# Altium PCB lidarcar.PcbDoc (part 2 of 2)
Units mil, origin at the board's own origin, x right, y up, seen from the top; angles counter-clockwise.
Board outline 3704.72 x 3732.29 mil, 2 copper layers (Top Layer, Bottom Layer); 84 components, 182 nets, 510 pads, 147 vias.
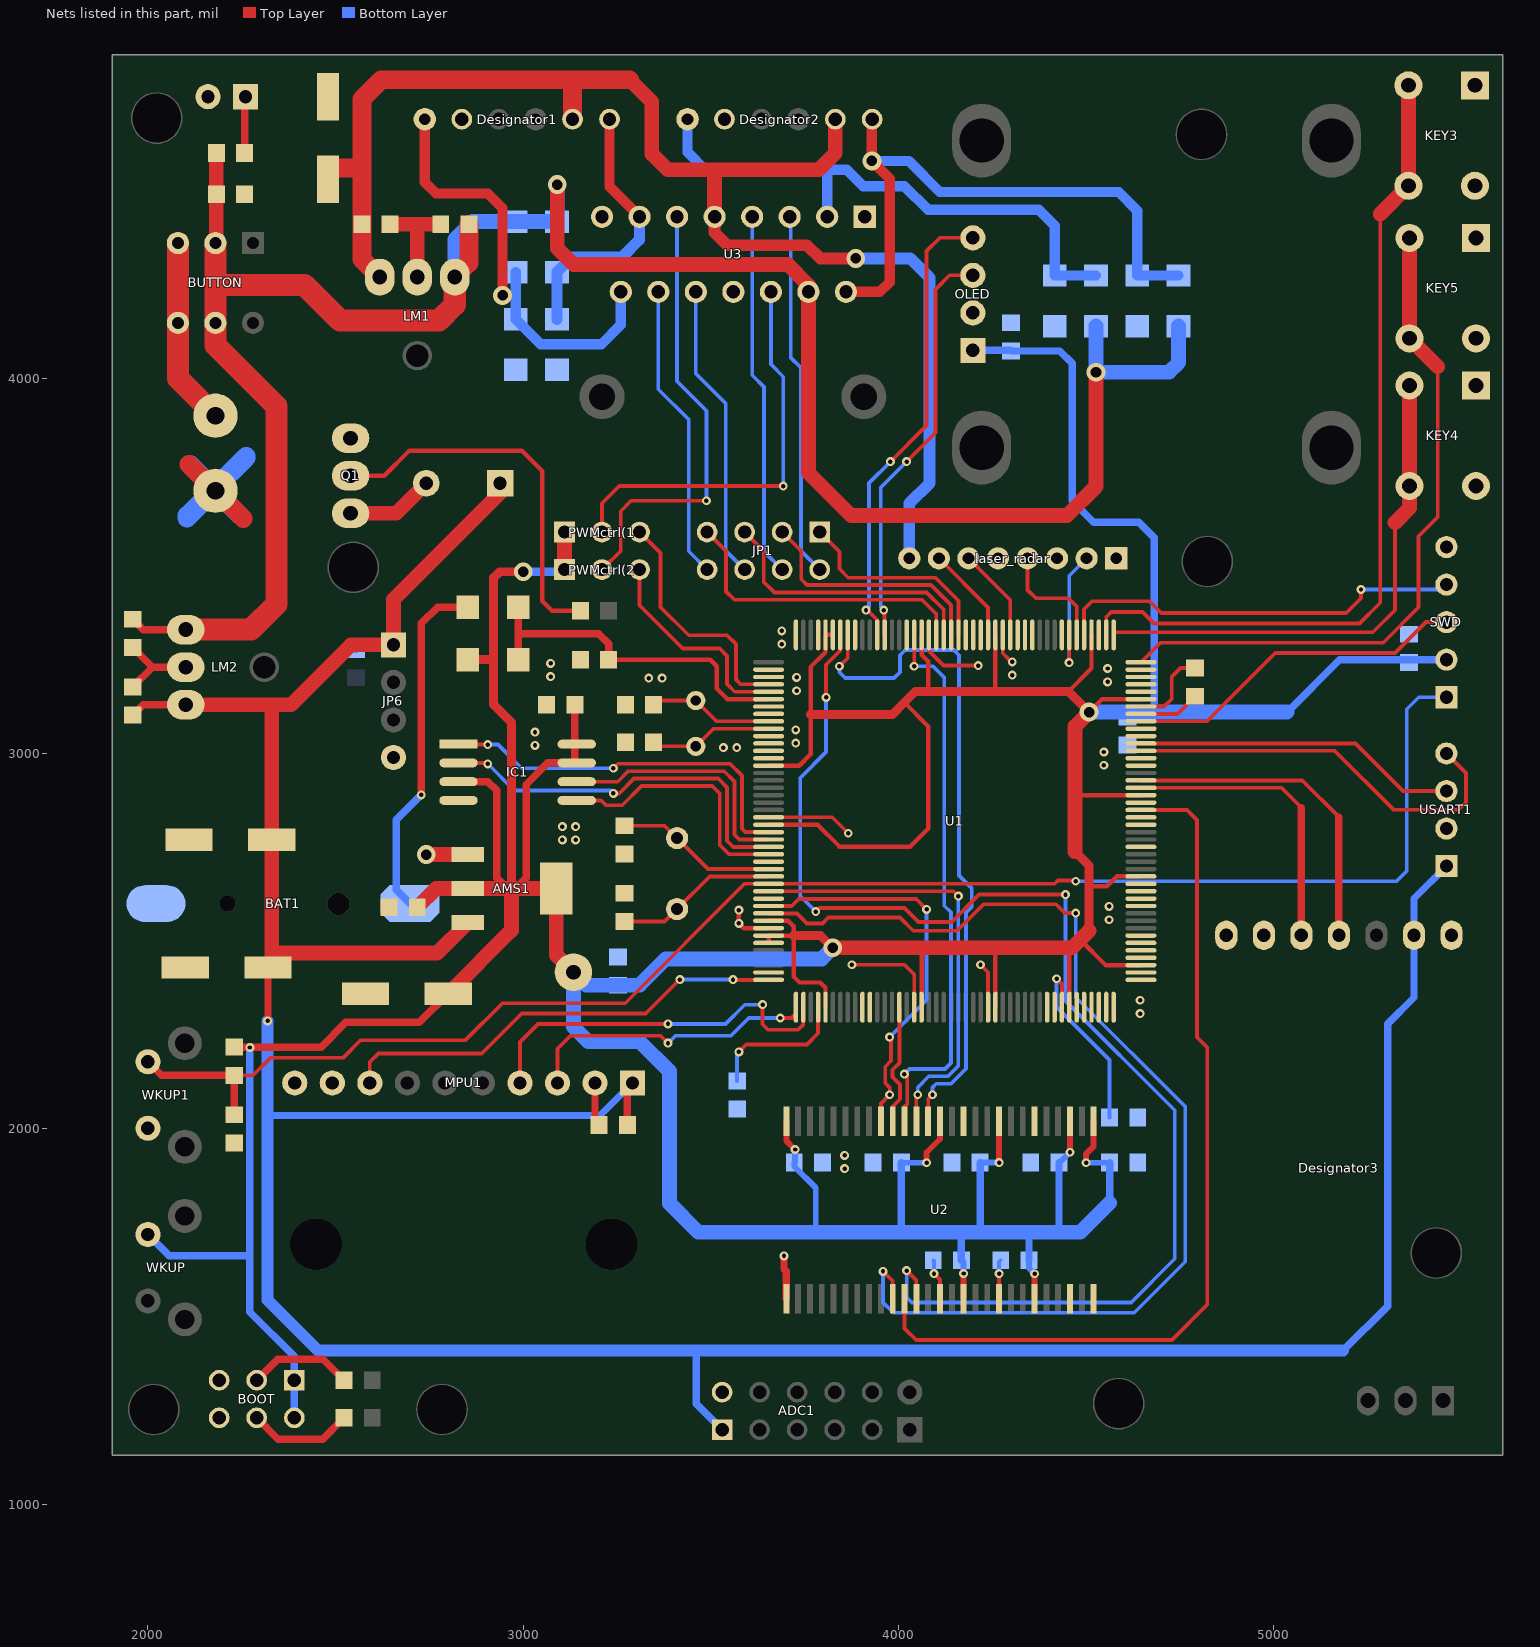
[diagram p2: the nets of this part, all layers, seen from the top]

## Via types
v1: diameter 23.62, hole 11.81, Top Layer to Bottom Layer, 138 vias
v2: diameter 50, hole 28, Top Layer to Bottom Layer, 9 vias

## Nets (pads, with @x,y where several pads share a name; then routed paths per layer and width w, separated by ;. In a path a pad name is that pad's centre, name@x,y a point inside that pad or via, vN(x,y) a via of type N, cw(c..) or ccw(c..) an arc to the next point about the centre after c; other vN are vias at no path point) (continued)
FMC_NBL0: U1.169 U2.15 | length 1824.2
  Top Layer w10: v1(3842.52,3232.28) 3864.57,3254.33 U1.169@3864.57,3316.06 ; U2.15@4079.05,2020 4079.05,2079.05 v1(4090.55,2090.55)
  Bottom Layer w10: v1(3842.52,3232.28) 3842.52,3216.54 3858.27,3200.79 3988.19,3200.79 4003.94,3216.54 4003.94,3261.81 4017.72,3275.59 4147.64,3275.59 4161.42,3261.81 4161.42,2675.2 4194.88,2641.73 4194.88,2590.55 4180,2575.67 4180,2160 4140,2120 4100.32,2120 4090.55,2110.24 v1(4090.55,2090.55)
FMC_NBL1: U1.170 U2.39 | length 3529.3
  Top Layer w10: v1(3779.53,2578.74) 3789.37,2588.58 4015.75,2588.58 4053.15,2551.18 4141.73,2551.18 4214.57,2624.02 v1(4444.88,2624.02) ; v1(3807.09,3149.61) 3807.09,3236.22 3844.88,3274.02 U1.170@3844.88,3316.06 ; v1(4021.65,1622.05) 4047.56,1596.14 U2.39@4047.56,1547.56
  Bottom Layer w10: v1(3779.53,2578.74) 3738.19,2620.08 3738.19,2935.04 3807.09,3003.94 v1(3807.09,3149.61) ; v1(4021.65,1622.05) 4021.65,1551.18 4035.43,1537.4 4620.08,1537.4 4736.22,1653.54 4736.22,2049.21 4444.88,2340.55 v1(4444.88,2624.02)
FMC_SDCKE0: U1.35 U2.37 | length 2978.4
  Top Layer w10: U1.35@3653.94,2573.94 3729.21,2573.94 3755.91,2547.24 3797.24,2547.24 3812.99,2562.99 4003.94,2562.99 4039.37,2527.56 4155.51,2527.56 4226.38,2598.43 4419.29,2598.43 4442.91,2574.8 v1(4472.44,2574.8) ; v1(3958.66,1620.08) 3984.57,1594.17 U2.37@3984.57,1547.56
  Bottom Layer w10: v1(3958.66,1620.08) 3958.66,1537.4 3986.22,1509.84 4627.95,1509.84 4763.78,1645.67 4763.78,2059.06 4472.44,2350.39 v1(4472.44,2574.8)
FMC_SDCLK: U1.112 U2.38 | length 2401.2
  Top Layer w10: U2.38@4016.06,1547.56 4016.06,1468.19 4047.24,1437.01 4728.35,1437.01 4822.83,1531.5 4822.83,2216.54 4795.28,2244.09 4795.28,2822.83 4768.58,2849.53 U1.112@4646.06,2849.53
FMC_SDNCAS: U1.160 U2.17 | length 1479.3
  Top Layer w10: v1(4015.75,2145.67) 4023.62,2137.8 4023.62,2066.93 4016.06,2059.37 U2.17@4016.06,2020 ; v1(4041.73,3232.28) U1.160@4041.73,3316.06
  Bottom Layer w10: v1(4015.75,2145.67) 4029.53,2159.45 4124.02,2159.45 4139.76,2175.2 4139.76,2576.77 4122.05,2594.49 4122.05,3202.36 4092.13,3232.28 v1(4041.73,3232.28)
FMC_SDNE0: U1.34 U2.19 | length 1109.8
  Top Layer w10: U1.34@3653.94,2593.62 3715.67,2593.62 3734.25,2612.2 4047.24,2612.2 v1(4074.8,2584.65) ; U2.19@3953.07,2059.37 U2.19@3953.07,2020 3953.07,2067.24 v1(3976.38,2090.55) 3976.38,2110.24 3964.57,2122.05 3964.57,2165.35 3980.32,2181.1 3980.32,2244.09 v1(3976.38,2244.09)
  Bottom Layer w10: v1(3976.38,2244.09) 4074.8,2342.52 v1(4074.8,2584.65)
FMC_SDNRAS: U1.59 U2.18 | length 327.6
  Top Layer w10: U2.18@3984.57,2020 3984.57,2059.37 4003.94,2078.74 4003.94,2118.11 3984.25,2137.8 3984.25,2157.48 4002.36,2175.59 U1.59@4002.36,2323.94
FMC_SDNWE: U1.32 U2.16 | length 1187.3
  Top Layer w10: U1.32@3653.94,2632.99 4146.54,2632.99 v1(4159.45,2620.08) ; U2.16@4047.56,2020 4047.56,2086.93 v1(4051.18,2090.55)
  Bottom Layer w10: v1(4051.18,2090.55) 4051.18,2110.24 4080.71,2139.76 4131.89,2139.76 4159.45,2167.32 v1(4159.45,2620.08)
FSYNC: MPU1.10
GND: ADC1.2 AMS1.1 BAT1.2 BOOT.5 BOOT.6 C1.2 C2.1 C3.1 C4.1 C5.2 C6.1 C7.1 C8.1 C9.2 C10.1 C11.1 C12.1 C13.1 C15.1 C16.1 C17.1 C18.2 C19.2 C20.2 C21.1 C22.2 C23.2 C24.1 C25.2 C26.2 C27.2 C28.2 C29.2 C30.2 C31.2 C32.2 Designator1.5 Designator2.5 Designator3.1@4873.46,2515.55 Designator3.2@4973.46,2515.55 Designator3.7 Designator5.1 IC1.4 JP6.4 KEY3.1 KEY3.4 KEY4.1 KEY4.4 KEY5.1 KEY5.4 laser_radar.5 LED.2 LM1.2 LM2.2 MPU1.2 OLED.2 Q1.1 R2.2 SWD.5 U1.14 U1.22 U1.37 U1.61 U1.71 U1.90 U1.102 U1.113 U1.126 U1.135 U1.148 U1.158 U2.6 U2.12 U2.28 U2.41 U2.46 U2.52 U2.54 U3.1 U3.8 U3.15 USART1.2 VD7.1 VD8.1 VD9.1 VD10.1 WKUP1.2 | length 3325.3
  Top Layer w10: U1.22@3653.94,2829.84 3823.7,2829.84 v1(3866.14,2787.4) ; v1(3875.98,2437.01) 4015.75,2437.01 4041.73,2411.02 U1.61@4041.73,2323.94 ; U1.158@4081.1,3316.06 4081.1,3273.23 4120.08,3234.25 v1(4212.6,3234.25) ; v1(4094.49,1614.17) 4110.55,1598.11 U2.41@4110.55,1547.56 ; v1(4218.5,2437.01) 4238.58,2416.93 U1.71@4238.58,2323.94 ; U2.46@4268.03,1547.56 v1(4268.03,1614.17) ; U1.148@4277.95,3316.06 4277.95,3267.32 4293.31,3251.97 ; U1.126@4646.06,3125.12 4707.79,3125.12 4728.35,3145.67 4728.35,3204.72 4751.22,3227.6 C22.2@4790,3227.6
  Top Layer w11.81: v1(3574.8,2582.68) v1(3574.8,2547.24) 3587.48,2534.57 U1.37@3653.94,2534.57
  Top Layer w19.68: C7.1@1960,3177.6 2012.4,3230 ; C6.1@1960,3282.4 2012.4,3230 ; LM2.2@2101,3230 2012.4,3230 ; MPU1.2@3191.34,2122.05 3191.34,2021.06 C10.1@3202.4,2010 ; v1(3694.88,1661.42) 3694.88,1625.98 3700.79,1620.08 3700.79,1547.87 U2.28@3701.1,1547.56
  Top Layer w39.37: C3.1@2645.39,4410.32 C2.1@2780.2,4410.32 ; LM1.2@2717.8,4269.32 2717.8,4407.64 ; v2(2741.89,2730.55) AMS1.1@2851.89,2730.55
  Top Layer w50: 2109.33,3770.67 Designator5.1@2180,3700 2253.94,3626.06 2253.94,3625.67
  Bottom Layer w10: C30.2@4092.4,1650 4094.49,1647.91 v1(4094.49,1614.17) ; v1(4268.03,1614.17) 4268.03,1645.63 C25.2@4272.4,1650
  Bottom Layer w50: Designator5.1@2175.14,3705 2104.33,3634.19 2104.33,3627.67 2176.66,3700 Designator5.1@2180,3700 ; Designator5.1@2175.14,3705 Designator5.1@2176.49,3706.35 ; Designator5.1@2175.14,3705 2114.17,3765.96 2114.17,3768.67 Designator5.1@2176.49,3706.35 ; Designator5.1@2175.14,3705 Designator5.1@2180,3700.13 ; Designator5.1@2176.49,3706.35 Designator5.1@2180,3702.84 ; Designator5.1@2176.49,3706.35 2261.81,3791.67 2261.81,3788 2180,3706.19 Designator5.1@2180,3702.84 ; Designator5.1@2180,3700 2246.14,3633.86 2246.28,3633.86 Designator5.1@2180,3700.13 ; Designator5.1@2180,3700 Designator5.1@2180,3700.13 ; Designator5.1@2180,3700.13 Designator5.1@2180,3702.84
  other v1: 3856.3,1893.7 3856.3,1929.13 4643.7,2307.09 4643.7,2342.52 4561.02,2557.09 4561.02,2592.52 3104.33,2769.68 3139.76,2769.68 3104.33,2805.12 3139.76,2805.12 4547.24,2968.5 4547.24,3003.94 3533.46,3015.75 3568.9,3015.75 3031.5,3021.65 3726.38,3027.56 3031.5,3057.09 3726.38,3062.99 3728.35,3167.32 4557.09,3190.94 3334.65,3200.79 3370.08,3200.79 3728.35,3202.76 3072.83,3204.72 4303.15,3208.66 4557.09,3226.38 3072.83,3240.16 4303.15,3244.09 3688.98,3291.34 3688.98,3326.77
IIC1_SCL: OLED.3 U1.164 | length 1096.7
  Top Layer w10: U1.164@3962.99,3316.06 v1@3962.99,3379.53 ; v1(4021.65,3777.56) 4098.43,3854.33 4098.43,4236.22 4136.22,4274.02 OLED.3@4198.03,4274.02
  Bottom Layer w10: v1(3960.63,3381.89) 3952.76,3389.76 3952.76,3708.66 v1(4021.65,3777.56)
IIC1_SDA: OLED.4 U1.165 | length 1238
  Top Layer w10: v1@3917.32,3381.89 3943.31,3355.91 U1.165@3943.31,3316.06 ; v1(3978.35,3777.56) 4074.8,3874.02 4074.8,4338.58 4110.24,4374.02 OLED.4@4198.03,4374.02
  Bottom Layer w10: v1(3913.39,3381.89) 3921.26,3389.76 3921.26,3720.47 v1(3978.35,3777.56)
IIC2_SCL: MPU1.3 U1.45 | length 790.9
  Top Layer w10: MPU1.3@3091.34,2122.05 3091.34,2213.38 3125.98,2248.03 3366.14,2248.03 v1(3385.83,2228.35) ; v1(3685.04,2295.28) 3714.96,2295.28 3726.77,2307.09 U1.45@3726.77,2323.94
  Bottom Layer w10: v1(3385.83,2228.35) 3405.51,2248.03 3553.54,2248.03 3600.79,2295.28 v1@3677.17,2295.28
IIC2_SDA: MPU1.4 U1.46 | length 1015.5
  Top Layer w10: MPU1.4@2991.34,2122.05 2991.34,2231.49 3039.37,2279.53 v1(3385.83,2279.53) ; v1(3637.8,2330.71) 3637.8,2278.66 3652.43,2264.03 3732.54,2264.03 3746.46,2277.95 U1.46@3746.46,2323.94
  Bottom Layer w10: v1(3385.83,2279.53) 3539.37,2279.53 3590.55,2330.71 v1(3637.8,2330.71)
IIC3_SCL: U1.119
IIC3_SDA: U1.118
INT: MPU1.8 U1.44 | length 1211.1
  Top Layer w10: MPU1.8@2591.34,2122.05 2591.34,2177.95 2614.17,2200.79 2889.76,2200.79 2996.06,2307.09 3326.77,2307.09 v1(3417.32,2397.64) ; v1(3559.06,2397.64) 3559.92,2396.77 U1.44@3653.94,2396.77 U1.44@3653.07,2397.64
  Bottom Layer w10: v1(3417.32,2397.64) v1(3559.06,2397.64)
KEY1: U1.122
KEY2: U1.123
KEY3: U1.128
KEY4: U1.129
KEY5: U1.130
KEY6: KEY5.2 KEY5.3 U1.132 | length 1837.1
  Top Layer w10: U1.132@4646.06,3243.23 4698.11,3295.28 5291.34,3295.28 5385.83,3389.76 5385.83,3578.74 5437.01,3629.92 5437.01,4030.55
  Top Layer w39.37: KEY5.2@5361.42,4373.86 KEY5.3@5361.42,4106.14 5437.01,4030.55
M03: 
M06: 
M13: 
M16: 
M_RCTR: laser_radar.1
M_SCTR: laser_radar.4 U1.138 | length 308.9
  Top Layer w10: laser_radar.4@4343.78,3520 4343.78,3435.75 4366.14,3413.39 4452.76,3413.39 4474.8,3391.34 U1.138@4474.8,3316.06
Motor_IN1: JP1.1 U1.154 | length 563.2
  Top Layer w10: JP1.1@3790,3590 3842.52,3537.48 3842.52,3492.13 3866.14,3468.5 4098.43,3468.5 4159.84,3407.09 U1.154@4159.84,3316.06
Motor_IN2: JP1.3 U1.155 | length 654.1
  Top Layer w10: JP1.3@3690,3590 3740.63,3539.37 3740.63,3464.09 3755.91,3448.82 4086.61,3448.82 4140.16,3395.28 U1.155@4140.16,3316.06
Motor_IN3: JP1.5 U1.156 | length 731.2
  Top Layer w10: JP1.5@3590,3590 3640.63,3539.37 3640.63,3457.8 3669.29,3429.13 4074.8,3429.13 4120.47,3383.47 U1.156@4120.47,3316.06
Motor_IN4: JP1.7 U1.157 | length 819.8
  Top Layer w10: JP1.7@3490,3590 3540.63,3539.37 3540.63,3431.81 3562.99,3409.45 4062.99,3409.45 4100.79,3371.65 U1.157@4100.79,3316.06
MS_W: laser_radar.2 U1.139 | length 371.2
  Top Layer w10: v1(4454.72,3242.13) 4455.12,3242.52 U1.139@4455.12,3316.06
  Bottom Layer w10: v1(4454.72,3242.13) 4454.72,3473.46 laser_radar.2@4501.26,3520
NCS: MPU1.9
Net0R2_1: 
NetBAT1_1: BAT1.1 VD2.1 | length 932
  Top Layer w20: v1(2728.35,2889.76) 2728.35,3346.46 2771.89,3390 VD2.1@2852.68,3390
  Bottom Layer w20: BAT1.1@2698.65,2600 2661.42,2637.23 2661.42,2822.83 v1(2728.35,2889.76)
NetBeep1_2: Beep.2 Q1.3 | length 234.7
  Top Layer w39.37: Q1.3@2540,3640 2661.58,3640 Beep.2@2741.58,3720
NetBOOT_3: BOOT.3 R4.2 | length 278.6
  Top Layer w19.68: BOOT.3@2290,1330 2345.83,1385.83 2466.57,1385.83 R4.2@2522.4,1330
NetBOOT_4: BOOT.4 R5.1 | length 279.4
  Top Layer w19.68: BOOT.4@2290,1230 2346.77,1173.23 2465.63,1173.23 R5.1@2522.4,1230
NetC8_2: C8.2 U1.6 VD1.2 VD2.2 | length 938
  Top Layer w11.81: C8.2@3227.6,3250 3498.03,3250 3515.75,3232.28 3515.75,3173.23 3544.17,3144.8 U1.6@3653.94,3144.8
  Top Layer w19.68: VD1.2@2987.32,3250 2987.32,3318.89 ; VD2.2@2987.32,3390 2987.32,3318.89 ; C8.2@3227.6,3250 3227.6,3292.09 3200.79,3318.89 2987.32,3318.89
NetC20_1: C20.1 U1.81 | length 509.6
  Top Layer w10: v1(4421.26,2399.61) 4435.43,2385.43 U1.81@4435.43,2323.94
  Bottom Layer w10: v1(4421.26,2399.61) 4421.26,2324.8 4562.4,2183.66 C20.1@4562.4,2030
NetC22_1: C22.1 U1.125 | length 163.4
  Top Layer w10: U1.125@4646.06,3105.43 4743.03,3105.43 C22.1@4790,3152.4
NetJP1_2: JP1.2 U3.5 | length 973.1
  Bottom Layer w10: U3.5@3710,4430 3712.6,4427.4 3712.6,4055.12 3740.16,4027.56 3740.16,3539.84 JP1.2@3790,3490
NetJP1_4: JP1.4 U3.7 | length 973.1
  Bottom Layer w10: U3.7@3610,4430 3610.24,4429.76 3610.24,4007.87 3641.73,3976.38 3641.73,3538.27 JP1.4@3690,3490
NetJP1_6: JP1.6 U3.10 | length 793.8
  Bottom Layer w10: U3.10@3460,4230 3460,4012.44 3539.37,3933.07 3539.37,3540.63 JP1.6@3590,3490
NetJP1_8: JP1.8 U3.12 | length 793.8
  Bottom Layer w10: U3.12@3360,4230 3360,3970.71 3440.94,3889.76 3440.94,3539.05 JP1.8@3490,3490
NetJP2_1: Designator2.1 U3.2 VD3.1 VD7.2 | length 1625.9
  Top Layer w27.56: U3.2@3860,4230 3950.47,4230 3976.38,4255.91 3976.38,4531.5 v2(3929.13,4578.74) 3929.13,4689.13 Designator2.1@3930,4690
  Bottom Layer w27.56: v2(3929.13,4578.74) 4027.56,4578.74 4110.24,4496.06 4586.61,4496.06 4636.22,4446.46 VD7.2@4636.22,4273.54 VD3.1@4746.22,4273.54
NetJP2_6: Designator2.6 U3.3 VD4.1 VD8.2 | length 1515.8
  Bottom Layer w27.56: Designator2.6@3437.87,4690 3437.87,4601.5 3484.25,4555.12 3862.2,4555.12 3905.51,4511.81 4015.75,4511.81 4078.74,4448.82 4374.02,4448.82 4416.22,4406.61 VD8.2@4416.22,4273.54 VD4.1@4526.22,4273.54 ; U3.3@3810,4430 3810,4555.12
NetJP3_1: Designator1.1 U3.13 VD5.1 VD9.2 | length 735.2
  Top Layer w27.56: Designator1.1@3230,4690 3230,4510 U3.13@3310,4430
  Bottom Layer w30: VD9.2@3090,4157.32 VD5.1@3090,4282.68 3130.16,4322.83 3263.78,4322.83 3310,4369.06 U3.13@3310,4430
NetJP3_6: Designator1.6 U3.14 VD6.1 VD10.2 | length 1178.4
  Top Layer w27.56: Designator1.6@2737.87,4690 2737.87,4521.97 2767.72,4492.13 2905.51,4492.13 2944.88,4452.76 v2(2944.88,4220.47)
  Bottom Layer w27.56: VD6.1@2980,4282.68 VD10.2@2980,4157.32 3046.77,4090.55 3208.66,4090.55 3260,4141.89 U3.14@3260,4230
NetLED_1: LED.1 R1.1 | length 151
  Top Layer w19.68: R1.1@2257.6,4600 2257.6,4747.6 LED.1@2260,4750
NetPWMctrl(1_2: PWMctrl(1.2 U3.6 | length 1109.7
  Top Layer w10: 3210,3590 3210,3666.69 3255.91,3712.6 v1(3692.91,3712.6)
  Bottom Layer w10: U3.6@3660,4230 3660,4036.85 3692.91,4003.94 v1(3692.91,3712.6)
NetPWMctrl(2_2: PWMctrl(2.2 U3.11 | length 1205.2
  Top Layer w10: 3210,3490 3259.84,3539.84 3259.84,3645.67 3287.4,3673.23 v1(3488.19,3673.23)
  Bottom Layer w10: U3.11@3410,4430 3410,3991.57 3488.19,3913.39 v1(3488.19,3673.23)
NetQ1_2: Q1.2 R7.1 | length 1020
  Top Layer w11.81: Q1.2@2540,3740 2629.76,3740 2696.85,3807.09 2996.06,3807.09 3051.18,3751.97 3051.18,3405.51 3076.69,3380 R7.1@3152.4,3380
NetR2_1: R2.1 U1.48 | length 380.3
  Top Layer w10: v1(3574.8,2204.72) 3594.49,2224.41 3755.91,2224.41 3785.83,2254.33 U1.48@3785.83,2323.94
  Bottom Layer w10: R2.1@3570,2127.6 3570,2199.92 v1(3574.8,2204.72)
PA9: U1.120 USART1.4 | length 1090.2
  Top Layer w10: U1.120@4646.06,3007.01 5162.28,3007.01 5318.9,2850.39 5492.13,2850.39 5511.81,2870.08 5511.81,2948.19 USART1.4@5460,3000
PA10: U1.121 USART1.3 | length 866.4
  Top Layer w10: U1.121@4646.06,3026.69 5217.4,3026.69 5344.1,2900 USART1.3@5460,2900
PA13: SWD.3 U1.124 | length 923.4
  Top Layer w10: U1.124@4646.06,3085.75 4821.97,3085.75 5003.94,3267.72 5322.83,3267.72 5405.12,3350 SWD.3@5460,3350
PA14: SWD.4 U1.137 | length 1100.9
  Top Layer w10: U1.137@4494.49,3316.06 4494.49,3384.25 4515.75,3405.51 4668.43,3405.51 4699.92,3374.02 5192.91,3374.02 5232.28,3413.39 v1(5232.28,3437.01)
  Bottom Layer w10: v1(5232.28,3437.01) 5447.01,3437.01 SWD.4@5460,3450
PB3: U1.161
PB9: U1.168
PB10: U1.79
PB11: U1.80
PB12: U1.92
PB13: U1.93
PB14: U1.94
PB15: U1.95
PC1: U1.33
PC4: U1.54
PC5: U1.55
PC6: Designator3.3@5073.46,2515.55 U1.115 | length 789.4
  Top Layer w10: U1.115@4646.06,2908.58 5020.55,2908.58 5073.46,2855.67
  Top Layer w19.68: Designator3.3@5073.46,2515.55 5073.46,2855.67
PC7: Designator3.4 U1.116 | length 882.8
  Top Layer w10: U1.116@4646.06,2928.27 5075.67,2928.27 5173.46,2830.47
  Top Layer w19.68: Designator3.4@5173.46,2515.55 5173.46,2830.47
PC10: 
PC11: U1.140
PC13: U1.8
PC14: C18.1 U1.9 X2.1 | length 333.8
  Top Layer w10: C18.1@3347.6,3130 3358.62,3141.02 X2.1@3460,3141.02 3515.28,3085.75 U1.9@3653.94,3085.75
PC15: C19.1 U1.10 X2.2 | length 330.4
  Top Layer w10: C19.1@3347.6,3030 3358.62,3018.98 X2.2@3460,3018.98 3507.09,3066.06 U1.10@3653.94,3066.06
PD2: U1.144
PD3: U1.145
PD4: U1.146
PD5: laser_radar.6 U1.147 | length 250.1
  Top Layer w10: laser_radar.6@4186.3,3520 4297.64,3408.66 U1.147@4297.64,3316.06
PD6: laser_radar.7 U1.150 | length 258.2
  Top Layer w10: laser_radar.7@4107.56,3520 4238.58,3388.98 U1.150@4238.58,3316.06
PD7: U1.151
PD11: U1.99
PD12: U1.100
PD13: U1.101
PE3: U1.2
PE4: U1.3
PE5: PWMctrl(1.3 U1.4 | length 651.8
  Top Layer w10: 3310,3590 3366.14,3533.86 3366.14,3389.76 3440.94,3314.96 3543.31,3314.96 3566.93,3291.34 3566.93,3196.85 3579.61,3184.17 U1.4@3653.94,3184.17
PE6: PWMctrl(2.3 U1.5 | length 578.4
  Top Layer w10: 3310,3490 3310,3394.72 3425.2,3279.53 3523.62,3279.53 3543.31,3259.84 3543.31,3185.04 3563.86,3164.49 U1.5@3653.94,3164.49
PF6: IC1.1 U1.24 | length 1016.3
  Top Layer w10: IC1.1@2827.56,3024.92 2828.86,3023.62 v1(2905.51,3023.62) ; v1(3240.16,2960.63) 3251.97,2972.44 3551.18,2972.44 3582.68,2940.94 3582.68,2799.21 3591.42,2790.47 U1.24@3653.94,2790.47
  Bottom Layer w10: v1(2905.51,3023.62) 2933.07,3023.62 2996.06,2960.63 v1(3240.16,2960.63)
PF7: IC1.6 U1.25 | length 681.3
  Top Layer w10: IC1.6@3142.52,2924.92 3251.69,2924.92 3279.53,2952.76 3535.43,2952.76 3562.99,2925.2 3562.99,2783.46 3575.67,2770.79 U1.25@3653.94,2770.79
PF8: IC1.2 U1.26 | length 1034.7
  Top Layer w10: IC1.2@2827.56,2974.92 2903.03,2974.92 v1(2905.51,2972.44) ; v1(3240.16,2893.7) 3255.91,2893.7 3295.28,2933.07 3519.69,2933.07 3543.31,2909.45 3543.31,2767.72 3559.92,2751.1 U1.26@3653.94,2751.1
  Bottom Layer w10: v1(2905.51,2972.44) 2976.38,2901.57 3232.28,2901.57 v1(3240.16,2893.7)
PF9: IC1.5 U1.27 | length 694
  Top Layer w10: IC1.5@3142.52,2874.92 3207.76,2874.92 3220.47,2862.2 3263.78,2862.2 3314.96,2913.39 3503.94,2913.39 3523.62,2893.7 3523.62,2755.91 3548.11,2731.42 U1.27@3653.94,2731.42
PF10: U1.28
PG3: U1.107
PG6: U1.110
PG7: U1.111
PG9: U1.152
PG10: U1.153
PH0: C17.2 U1.29 X1.2 | length 431.8
  Top Layer w10: C17.2@3270,2807.6 3376.89,2807.6 X1.2@3410,2774.49 3492.44,2692.05 U1.29@3653.94,2692.05
PH1: C16.2 U1.30 X1.1 | length 433.6
  Top Layer w10: C16.2@3270,2552.4 3376.89,2552.4 X1.1@3410,2585.51 3496.85,2672.36 U1.30@3653.94,2672.36
PH2: U1.43
PH6: U1.83
PH7: U1.84
PH8: U1.85
PH9: U1.86
PH10: U1.87
PH11: U1.88
PH12: U1.89
PI0: U1.131
PI2: KEY4.2 KEY4.3 U1.133 | length 1391.4
  Top Layer w10: U1.133@4573.23,3316.06 4580,3322.83 5263.78,3322.83 5322.83,3381.89 5322.83,3615.2
  Top Layer w39.37: 5322.83,3615.2 5361.42,3653.78 KEY4.3@5361.42,3712.68 KEY4.2@5361.42,3980.39
PI3: KEY3.2 KEY3.3 U1.134 | length 2228.6
  Top Layer w10: U1.134@4553.54,3316.06 4553.54,3363.7 4566.93,3377.09 4650.47,3377.09 4681.1,3346.46 5228.35,3346.46 5283.46,3401.57 5283.46,4437.48
  Top Layer w39.37: 5283.46,4437.48 KEY3.3@5358.66,4512.68 KEY3.2@5358.66,4780.39
PI4: U1.173
PI7: U1.176
PI8: U1.7
PI9: U1.11
PI10: U1.12
PI11: U1.13
PP_SW: laser_radar.3
RESET: C21.2 R3.1 SWD.1 U1.31 WKUP1.1 | length 4251.3
  Top Layer w10: R3.1@2230,2142.4 2280.2,2142.4 2326.77,2188.98 2519.69,2188.98 2566.93,2236.22 2846.46,2236.22 2944.88,2334.65 3271.65,2334.65 3589.69,2652.68 U1.31@3653.94,2652.68 4416.46,2652.68 4425.2,2661.42 4470.47,2661.42 v1(4472.44,2659.45)
  Top Layer w19.68: WKUP1.1@2000,2178.58 2036.18,2142.4 R3.1@2230,2142.4 C21.2@2230,2037.6
  Bottom Layer w10: v1(4472.44,2659.45) 5326.77,2659.45 5354.33,2687.01 5354.33,3118.11 5386.22,3150 SWD.1@5460,3150
VCC5: 
VCC-3.3: AMS1.2 BOOT.1 BOOT.2 C4.2 C9.1 C11.2 C12.2 C13.2 C15.2 C24.2 C25.1 C26.1 C27.1 C28.1 C29.1 C30.1 C31.1 IC1.3 IC1.7 IC1.8 OLED.1 pad.0@3133.86,2417.32 PWMctrl(1.1 PWMctrl(2.1 R3.2 SWD.2 U1.15 U1.23 U1.36 U1.38 U1.39 U1.49 U1.62 U1.72 U1.82 U1.91 U1.103 U1.114 U1.127 U1.136 U1.149 U1.159 U1.171 U1.172 U2.1 U2.3 U2.9 U2.14 U2.27 U2.43 U2.49 VD1.1 WKUP.1 | length 17939.5
  Top Layer w11.81: U1.39@3653.94,2495.2 U1.38@3653.94,2514.88 3720.47,2514.88 ; U1.36@3653.94,2554.25 3705.59,2554.25 3720.47,2539.37 3720.47,2514.88 ; U1.23@3653.94,2810.16 3784.33,2810.16 3842.52,2751.97 4031.5,2751.97 4078.74,2799.21 4078.74,3072.83 4015.75,3135.83 ; U1.15@3653.94,2967.64 3735.35,2967.64 3765.75,2998.03 3765.75,3104.33 3765.75,3230.31 3805.51,3270.08 U1.172@3805.51,3316.06 U1.171@3825.2,3316.06 ; U1.49@3805.51,2323.94 3805.51,2375.59 3791.34,2389.76 3736.22,2389.76 3720.47,2405.51 3720.47,2514.88 ; U1.62@4061.42,2323.94 4061.42,2478.74 ; U1.159@4061.42,3316.06 4061.42,3263.39 4078.74,3246.06 4078.74,3165.35 ; U1.72@4258.27,2323.94 4258.27,2481.89 ; 4258.27,3165.75 U1.149@4258.27,3316.06 ; 4452.76,3165.35 4514.17,3226.77 U1.136@4514.17,3316.06 ; U1.82@4455.12,2323.94 4455.12,2474.8 ; 4470.47,2889.76 4471.34,2888.9 U1.114@4646.06,2888.9 ; 4484.09,2503.78 4551.73,2436.14 U1.91@4646.06,2436.14 ; 4507.87,2645.67 4555.12,2645.67 4581.81,2672.36 U1.103@4646.06,2672.36 ; v2(4507.87,3110.24) 4542.44,3144.8 U1.127@4646.06,3144.8
  Top Layer w15.75: U2.27@3701.1,2020 3701.1,1968.19 v1(3724.41,1944.88) ; v1(4074.8,1909.45) 4074.8,1937.01 4110.55,1972.75 U2.14@4110.55,2020 ; U2.43@4173.54,1547.56 v1(4173.54,1614.49) ; v1(4268.03,1909.76) U2.9@4268.03,2020 ; U2.49@4362.52,1547.56 v1(4362.52,1613.86) ; v1(4457.01,1937.32) U2.3@4457.01,2020 ; v1(4500,1909.45) 4500,1933.07 4520,1953.07 U2.1@4520,2020
  Top Layer w19.68: R3.2@2230,2217.6 v1@2271.65,2217.6 ; v1(2271.65,2216.54) v1@2271.65,2217.6 ; C9.1@2800,2360 2723.46,2283.46 2527.56,2283.46 2461.69,2217.6 v1@2271.65,2217.6 ; IC1.3@2827.56,2924.92 2905.79,2924.92 2929.13,2901.57 2929.13,2669.29 2958.43,2640 2968.5,2629.92 2978.58,2640 3007.87,2669.29 3007.87,2917.32 3065.47,2974.92 IC1.7@3142.52,2974.92 3137.6,2979.84 C4.2@3137.6,3130
  Top Layer w23.62: VD1.1@2852.68,3250 2921.26,3250 ; 2968.5,2629.92 2968.5,2640 2968.5,3082.68 2921.26,3129.92 2921.26,3250 ; v2(3000,3484.25) 2937.01,3484.25 2921.26,3468.5 2921.26,3250 ; 3720.47,2514.88 3792.21,2514.88 v2(3824.8,2482.28) ; 3765.75,3104.33 3984.25,3104.33 4015.75,3135.83 4045.28,3165.35 4078.74,3165.35 4452.76,3165.35 v2(4507.87,3110.24) ; 4470.47,2738.19 4507.87,2700.79 4507.87,2645.67 4507.87,2527.56
  Top Layer w39.37: C15.2@2717.6,2590 2767.6,2640 AMS1.2@2851.89,2640 2958.43,2640 2968.5,2640 2978.58,2640 AMS1.2@3088.11,2640 3088.11,2463.07 pad.0@3133.86,2417.32 ; C9.1@2800,2360 2968.5,2528.5 2968.5,2629.92 ; 3110,3490 3110,3590 ; v2(3824.8,2482.28) 4462.6,2482.28 4484.09,2503.78 4507.87,2527.56 ; 4470.47,2738.19 4470.47,2889.76 4470.47,3072.83 v2(4507.87,3110.24)
  Bottom Layer w15.75: v1(3724.41,1944.88) 3724.41,1912.01 C26.1@3722.4,1910 3722.4,1899.65 3779.53,1842.52 3779.53,1724.41 ; C27.1@4007.6,1910 4008.15,1909.45 v1(4074.8,1909.45) ; C30.1@4167.6,1650 4173.54,1644.06 v1(4173.54,1614.49) ; C28.1@4217.6,1910 4217.83,1909.76 v1(4268.03,1909.76) ; C25.1@4347.6,1650 4347.6,1628.78 v1(4362.52,1613.86) ; C31.1@4427.6,1910 4429.68,1910 v1(4457.01,1937.32) ; v1(4500,1909.45) 4561.85,1909.45 C24.2@4562.4,1910
  Bottom Layer w19.68: WKUP.1@2000,1718.58 2057.16,1661.42 2271.65,1661.42 ; v1(2271.65,2216.54) 2271.65,1661.42 ; BOOT.2@2390,1230 BOOT.1@2390,1330 2390,1393.46 2271.65,1511.81 2271.65,1661.42 ; 4007.6,1724.41 C27.1@4007.6,1910 ; C30.1@4167.6,1650 4167.6,1724.41 ; OLED.1@4198.03,4074.02 4298.38,4074.02 C12.2@4300,4072.4 4429.57,4072.4 4462.6,4039.37 4462.6,3673.23 4519.69,3616.14 4639.76,3616.14 4681.1,3574.8 4681.1,3110.24 ; 4217.6,1732.28 C28.1@4217.6,1910 ; C25.1@4347.6,1650 4347.6,1724.41 ; 4427.6,1724.41 C31.1@4427.6,1910 ; 4562.4,1802.56 C24.2@4562.4,1910 ; 5035.43,3110.24 5175.2,3250 SWD.2@5460,3250
  Bottom Layer w23.62: v2(3000,3484.25) 3104.25,3484.25 3110,3490
  Bottom Layer w39.37: v2(3824.8,2482.28) 3795.28,2452.76 3379.92,2452.76 3309.57,2382.4 C29.1@3252.4,2382.4 3168.78,2382.4 pad.0@3133.86,2417.32 3133.86,2271.65 3173.19,2232.32 3310.98,2232.32 3389.76,2153.54 3389.76,1801.18 3466.54,1724.41 3779.53,1724.41 4007.6,1724.41 4167.6,1724.41 4347.6,1724.41 4427.6,1724.41 4484.25,1724.41 4562.4,1802.56 ; v2(4507.87,3110.24) 4681.1,3110.24 5035.43,3110.24
VCC-5: ADC1.1 AMS1.3 Beep.1 C5.1 C7.2 C10.2 C32.1 Designator3.6 JP6.1 LM2.3 MPU1.1 R6.2 USART1.1 | length 9282.3
  Top Layer w19.68: C7.2@1960,3092.4 C7.2@1965,3097.4 ; C7.2@1960,3102.4 1987.6,3130 LM2.3@2101,3130 ; v1(2318.9,2287.4) 2320,2288.5 C5.1@2320,2430 ; C10.2@3277.6,2010 3277.6,2108.31 MPU1.1@3291.34,2122.05
  Top Layer w39.37: LM2.3@2101,3130 2326.77,3130 ; C5.1@2320,2430 C5.1@2330,2440 ; C5.1@2330,2435.23 C5.1@2330,2440 ; 2330,2481.02 2342.52,2468.5 2770.94,2468.5 AMS1.3@2851.89,2549.45 ; Beep.1@2938.43,3720 2938.43,3694.33 2654.25,3410.16 JP6.1@2654.25,3289.45 2541.42,3289.45 2381.97,3130 2326.77,3130 ; 2326.77,3130 2330,3126.77 C32.1@2330,2770 C5.1@2330,2440
  Bottom Layer w19.68: 2318.9,2035.43 3204.72,2035.43 MPU1.1@3291.34,2122.05 ; R6.2@2554.25,3277.05 2566.65,3289.45 JP6.1@2654.25,3289.45 ; 3460.63,1409.45 3460.63,1267.56 ADC1.1@3530,1198.19 ; 5185.04,1409.45 5303.15,1527.56 5303.15,2279.53 5373.46,2349.84 Designator3.6@5373.46,2515.55 5373.46,2613.46 USART1.1@5460,2700
  Bottom Layer w31.5: v1(2318.9,2287.4) 2318.9,2035.43 2318.9,1543.31 2452.76,1409.45 3460.63,1409.45 5185.04,1409.45
VCC-5E: C1.1 C3.2 Designator1.2 Designator2.2 laser_radar.8 LM1.3 U3.9 | length 3820.3
  Top Layer w31.5: U3.9@3510,4430 3510,4387.64 3543.31,4354.33 3755.91,4354.33 3791.34,4318.9 v2(3885.83,4318.9)
  Top Layer w39.37: 3283.46,4795.28 3342.52,4736.22 3342.52,4597.48 3384.88,4555.12 3787.4,4555.12 3831.58,4599.29 Designator2.2@3831.58,4690 ; U3.9@3510,4430 3510,4552.99
  Top Layer w50: C1.1@2480,4560 2570.2,4560 ; LM1.3@2617.8,4269.32 2570.2,4316.91 C3.2@2570.2,4410.32 2570.2,4560 ; Designator1.2@3131.58,4690 3131.58,4793.62 3133.23,4795.28 ; 3283.46,4795.28 3133.23,4795.28 ; 2570.2,4560 2570.2,4743.43 2622.05,4795.28 3133.23,4795.28
  Bottom Layer w31.5: v2(3885.83,4318.9) 4031.5,4318.9 4082.68,4267.72 4082.68,3720.47 4028.82,3666.61 laser_radar.8@4028.82,3520
VCC-12: BUTTON.2 BUTTON.5 C2.2 C6.2 C23.1 LM1.1 LM2.1 R1.2 U3.4 VD3.2 VD4.2 VD5.2 VD6.2 | length 6110.7
  Top Layer w19.68: C6.2@1960,3357.6 1987.6,3330 LM2.1@2101,3330 LM2.1@2083.4,3347.6
  Top Layer w39.37: BUTTON.2@2182.4,4362.4 R1.2@2182.4,4600 ; v2(3090.55,4515.75) 3090.55,4346.46 3133.86,4303.15 3704.72,4303.15 3760,4247.87 U3.4@3760,4230 3760,3747.87 3874.02,3633.86 4448.82,3633.86 4526.22,3711.26 v2(4526.22,4015.75)
  Top Layer w50: LM1.1@2817.8,4269.32 2855.39,4306.91 C2.2@2855.39,4410.32
  Top Layer w59.06: LM2.1@2101,3330 2274.88,3330 2342.52,3397.64 2342.52,3925.2 2180,4087.72 BUTTON.5@2180,4147.4 2180,4248.02 ; BUTTON.2@2180,4360 2180,4248.02 ; LM1.1@2817.8,4269.32 2817.8,4195.75 2775.58,4153.53 2511.82,4153.53 2417.33,4248.02 2180,4248.02
  Bottom Layer w39.37: LM1.1@2817.8,4269.32 2817.8,4370.08 2865.04,4417.32 VD6.2@2980,4417.32 VD5.2@3090,4417.32 3090.55,4417.87 v2(3090.55,4515.75) ; VD4.2@4526.22,4138.9 v2(4526.22,4015.75) 4720.47,4015.75 4746.22,4041.5 VD3.2@4746.22,4138.9
VCCIN: BUTTON.3 BUTTON.4 Designator5.2 | length 501.4
  Top Layer w59.06: BUTTON.3@2080,4360 BUTTON.4@2080,4147.4 2080,4000 Designator5.2@2180,3900
pads on no net: BAT1.0 BUTTON.1 BUTTON.6 Designator3.0 Designator3.1@5450.63,1275.79 Designator3.2@5350.63,1275.79 Designator3.3@5250.63,1275.79 JP6.3 LM1.0 LM2.0 U2.40 WKUP1.0 WKUP.0

## Polygon pours and split planes (outlines as drawn)
GND on Bottom Layer "Top Layer-No Net" (hatched 90Degree grid 0 track 1, remove dead copper, pour order 10): 1905.51,4862.2 5610.24,4862.2 5610.24,1129.92 1905.82,1129.92 1905.51,1130.23
GND on Top Layer "Top Layer-No Net" (hatched 90Degree grid 0 track 1, remove dead copper, pour order 12): 1905.51,4862.2 5610.24,4862.2 5610.24,1129.92 5609.93,1130.23 1905.51,1130.23

## Keep-outs
Keep-Out Layer:
  the board outline again, w10

## Silkscreen, mask and mechanical layers (free items; w line width, h text height)
Top Overlay:
  lines w6.06: 4994.25,3785.53 4994.25,3845.53 ; 5004.25,3785.53 5004.25,3845.53 ; 5006.06,4604.42 5006.06,4664.42 ; 5014.25,3785.53 5014.25,3845.53 ; 5016.06,4604.42 5016.06,4664.42 ; 5024.25,3785.53 5024.25,3845.53 ; 5026.06,4604.42 5026.06,4664.42 ; 5036.06,4604.42 5036.06,4664.42 ; 5036.98,3798.25 5036.98,3832.8 ; 5048.79,4617.15 5048.79,4651.7
  lines w10: 4984.25,3765.53 cw(c4984.25,3815.53) 4984.25,3865.53 ; 4984.25,3775.53 cw(c4984.25,3815.53) 4984.25,3855.53 ; 4984.25,3795.53 cw(c4984.25,3815.53) 4984.25,3835.53 ; 4984.25,3805.53 cw(c4984.25,3815.53) 4984.25,3825.53 ; 4996.06,4584.43 cw(c4996.06,4634.43) 4996.06,4684.43 ; 4996.06,4594.43 cw(c4996.06,4634.43) 4996.06,4674.43 ; 4996.06,4614.43 cw(c4996.06,4634.43) 4996.06,4654.43 ; 4996.06,4624.43 cw(c4996.06,4634.43) 4996.06,4644.43 ; 4996.06,4690.99 ccw(c4996.06,4634.43) 4996.06,4577.86 4996.06,4690.99 ; 2329.69,1574.02 2329.69,2184.25 3353.31,2184.25 3353.31,1574.02 2329.69,1574.02 ; 4125.99,3692.13 5236.22,3692.13 5249.21,3692.13 5249.21,4755.12 4125.99,4755.12 4125.99,3692.13 ; 4358.27,3719.68 4874.02,3719.68 4874.02,4727.56 4358.27,4727.56 4358.27,3719.68 ; 4984.25,3758.96 cw(c4984.25,3815.53) 4984.25,3872.1 4984.25,3758.96 ; 4984.25,3785.53 cw(c4984.25,3815.53) 4984.25,3845.53 5024.25,3845.53 5054.25,3815.53 5024.25,3785.53 4984.25,3785.53 ; 4996.06,4604.43 cw(c4996.06,4634.43) 4996.06,4664.43 5036.06,4664.42 5066.06,4634.42 5036.06,4604.42 4996.06,4604.42
  text "SDA" at 4110.24,4326.77 h39.37 r90
  text "SCL" at 4307.09,4223.62 h39.37 r90
  text "GND" at 4110.24,4118.11 h39.37 r90
  text "OLED" at 4685.04,4014.96 h118.11 r90
  text "VCC" at 4307.09,4007.09 h39.37 r90
  text "VIN" at 1937.28,4000 h60 r270
  text "GND" at 1937.28,3781.5 h60 r270
  text "GND" at 5562.99,3539.67 h30 r90
  text "TCK" at 5562.99,3428 h30 r90
  text "TMS" at 5562.99,3316.33 h30 r90
  text "3.3v" at 5562.99,3204.66 h30 r90
  text "RST" at 5562.99,3092.99 h30 r90
  text "TX" at 5562.99,2980.67 h30 r90
  text "RX" at 5562.99,2871.63 h30 r90
  text "GND" at 5562.99,2762.59 h30 r90
  text "VCC" at 5562.99,2653.54 h30 r90
  text "0" at 2158.28,1411.42 h30
  text "1" at 2395.77,1410.67 h30
Bottom Paste:
  drawing of 5050 lines, arcs and shapes, not listed
Top Solder:
  drawing of 5050 lines, arcs and shapes, not listed
Bottom Solder:
  drawing of 10100 lines, arcs and shapes, not listed

## Dimensions
1905.51,4862.2 to 1905.51,1130.23 on Top Overlay
5610.24,4862.2 to 1905.51,4862.2 on Top Overlay

## Text inside footprints (layer, text, board x,y; h text height)
ADC1: Top Overlay "10" at 3990,1278.19 h40; Top Overlay "9" at 3990,1178.19 h40; Top Overlay "1" at 3450,1178.19 h40; Top Overlay "2" at 3440,1278.19 h40
JP1: Top Overlay "8" at 3430,3510 h40 r180; Top Overlay "1" at 3880,3610 h40 r180; Top Overlay "2" at 3890,3510 h40 r180; Top Overlay "7" at 3430,3610 h40 r180